# KiCad board MainPCB.kicad_pcb
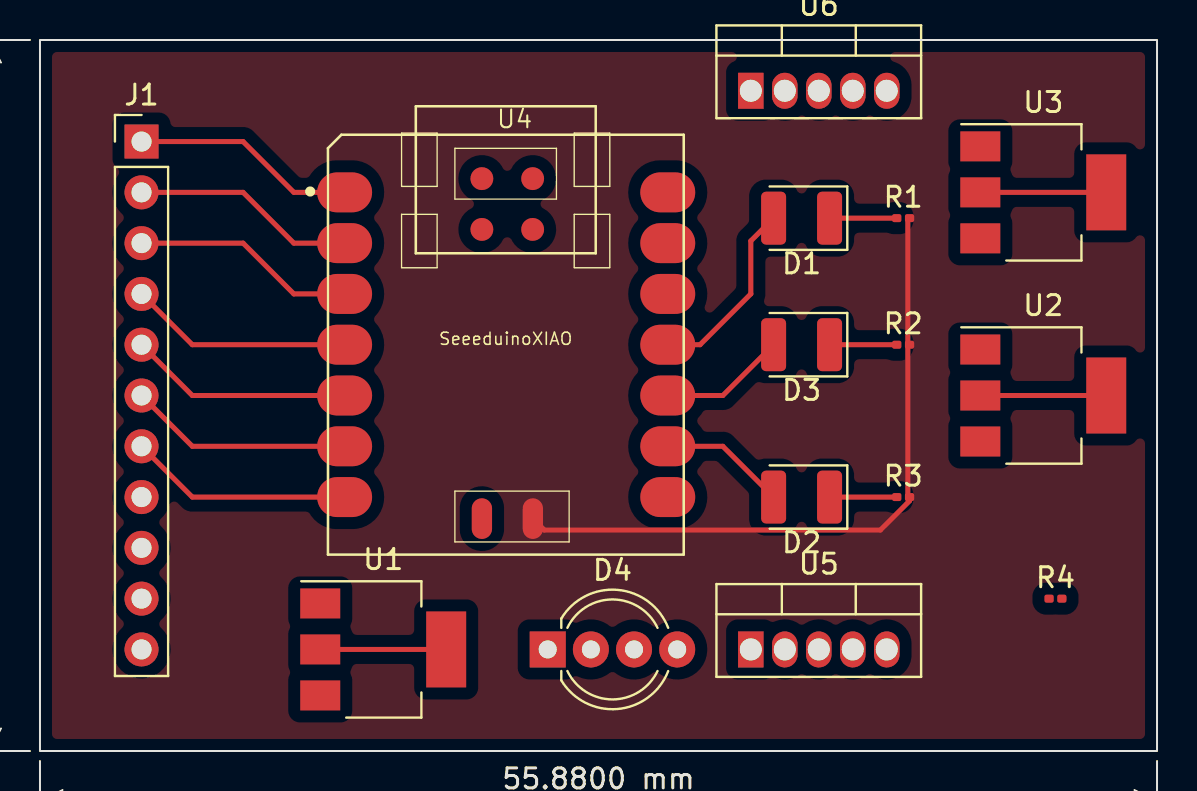
[diagram p0: board, top side]
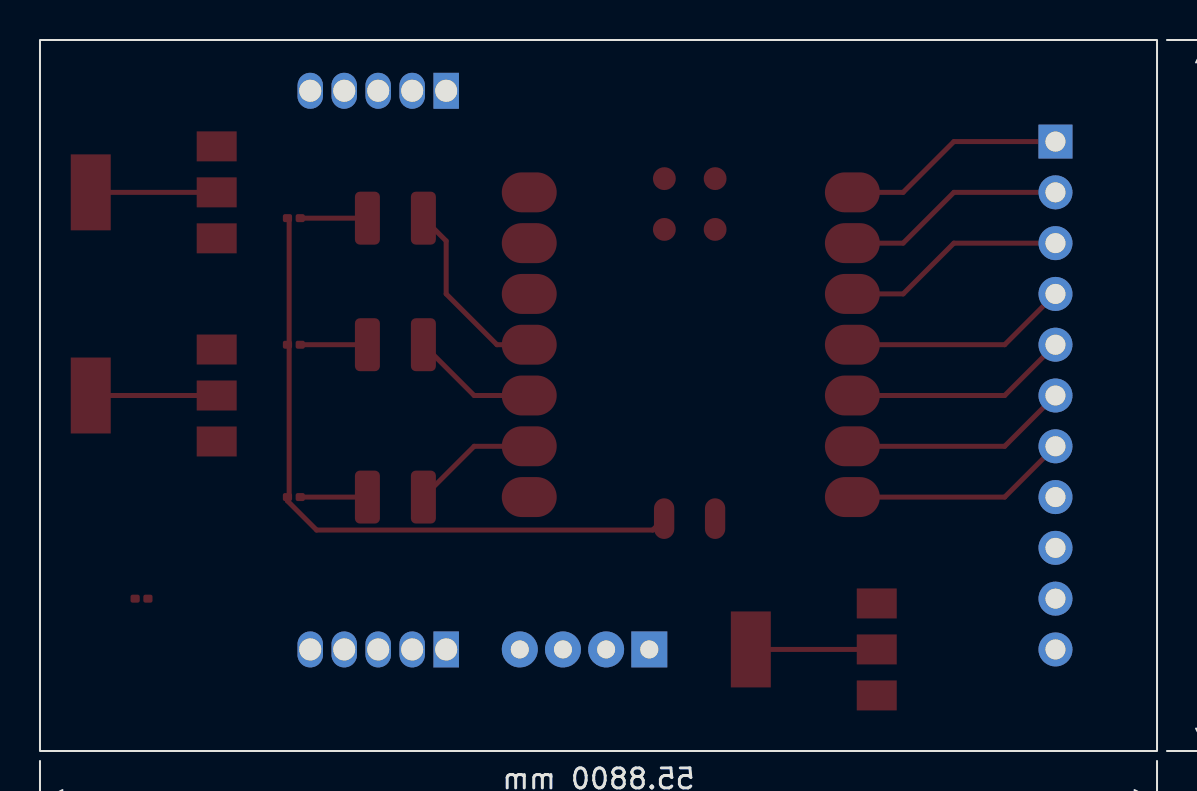
[diagram p1: board, bottom side, seen from below]

Outline 55.88 x 35.56 mm; copper layers: Top, Bottom. Coordinates in mm from the lower left corner of the outline.
Outline path: rectangle 0,35.56 55.88,0

## Placement (name value [footprint] x y rotation side)
D1  LED  [LED_1210_3225Metric]  38.1 26.65 180 top
D2  LED  [LED_1210_3225Metric]  38.1 12.7 180 top
D3  LED  [LED_1210_3225Metric]  38.1 20.32 180 top
D4  LED_ARGB  [LED_D5.0mm-4_RGB_Wide_Pins]  25.4 5.08 0 top
J1  Conn_01x11_Male  [PinHeader_1x11_P2.54mm_Vertical]  5.08 30.48 0 top
R1  10K  [R_0201_0603Metric]  43.18 26.65 0 top
R2  10K  [R_0201_0603Metric]  43.18 20.32 0 top
R3  10K  [R_0201_0603Metric]  43.18 12.7 0 top
R4  10K  [R_0201_0603Metric]  50.8 7.62 0 top
U1  AMS1117-5.0  [SOT-223-3_TabPin2]  17.17 5.08 0 top
U2  AMS1117-5.0  [SOT-223-3_TabPin2]  50.19 17.78 0 top
U3  AMS1117-5.0  [SOT-223-3_TabPin2]  50.19 27.94 0 top
U4  SeeeduinoXIAO  [Seeeduino XIAO-MOUDLE14P-2.54-21X17.8MM]  14.41 9.82 0 top
U5  LM2575BT-ADJ  [TO-220-5_Vertical]  35.56 5.08 0 top
U6  LM2575BT-ADJ  [TO-220-5_Vertical]  35.56 33.02 0 top

## Footprints (pads in the part's own frame, mm; a bottom-side part is the same pattern mirrored in y, then rotated)
LED_1210_3225Metric
  rrect 1.25x2.65 smd: 1(-1.4,0) 2(1.4,0)
LED_D5.0mm-4_RGB_Wide_Pins
  rect 1.8x1.8 hole 0.9: 1(0,0)
  round 1.8 hole 0.9: 2(2.159,0) 3(4.318,0) 4(6.477,0)
PinHeader_1x11_P2.54mm_Vertical
  rect 1.7x1.7 hole 1: 1(0,0)
  oval 1.7x1.7 hole 1: 2(0,-2.54) 3(0,-5.08) 4(0,-7.62) 5(0,-10.16) 6(0,-12.7) 7(0,-15.24) 8(0,-17.78) 9(0,-20.32) 10(0,-22.86) 11(0,-25.4)
R_0201_0603Metric
  rrect 0.318x0.36 smd: (-0.345,0) (0.345,0)
  rrect 0.46x0.4 smd: 1(-0.32,0) 2(0.32,0)
Seeeduino XIAO-MOUDLE14P-2.54-21X17.8MM
  oval 2.748x1.999 smd: 1(0.833,18.118) 2(0.833,15.578) 3(0.833,13.038) 4(0.833,10.498) 5(0.833,7.958) 6(0.833,5.418) 7(0.833,2.878) 8(16.998,2.878) 9(16.998,5.418) 10(16.998,7.958) 11(16.998,10.498) 12(16.998,13.038) 13(16.998,15.578) 14(16.998,18.118)
  oval 1.016x2.032 smd: 15(7.7,1.8) 16(10.25,1.8)
  round 1.143 smd: 17(7.699,18.804) 18(10.239,18.804) 19(7.699,16.264) 20(10.239,16.264)
SOT-223-3_TabPin2
  rect 2x1.5 smd: 1(-3.15,2.3) 2(-3.15,0) 3(-3.15,-2.3)
  rect 2x3.8 smd: 2(3.15,0)
TO-220-5_Vertical
  rect 1.275x1.8 hole 1.1: 1(0,0)
  oval 1.275x1.8 hole 1.1: 2(1.7,0) 3(3.4,0) 4(5.1,0) 5(6.8,0)

## Nets
Net-(D1-Pad1): D1.1 R1.1
Net-(D2-Pad1): D2.1 R3.1
Net-(J1-Pad1): J1.1 U4.1
Net-(J1-Pad2): J1.2 U4.2
Net-(J1-Pad3): J1.3 U4.3
Net-(J1-Pad4): J1.4 U4.4
Net-(J1-Pad5): J1.5 U4.5
Net-(J1-Pad6): J1.6 U4.6
Net-(J1-Pad7): J1.7 U4.7
Net-(R2-Pad1): D3.1 R2.1
Net-(U4-Pad9): D2.2 U4.9
Net-(U4-Pad10): D3.2 U4.10
Net-(U4-Pad11): D1.2 U4.11
Net-(U4-Pad16): R1.2 R2.2 R3.2 U4.16

Pads without a net: D4 1 2 3 4; J1 8 9 10 11; R4 1 2; U1 1 2 3; U2 1 2 3; U3 1 2 3; U4 8 12 13 14 15 17 18 19 20; U5 1 2 3 4 5; U6 1 2 3 4 5

## Routing (per net, layer and track width the routed paths; a pad name or vN(x,y) marks a point on that pad's centre or on a via; arc(x,y) is an arc through that point)
Net-(D1-Pad1): length 3.4
  Top w0.25: D1.1 R1.1
Net-(D2-Pad1): length 3.4
  Top w0.25: D2.1 42.94,12.7
Net-(J1-Pad1): length 11.2
  Top w0.25: J1.1 10.16,30.48 12.7,27.94 U4.1
Net-(J1-Pad2): length 11.2
  Top w0.25: U4.2 12.7,25.4 10.16,27.94 J1.2
Net-(J1-Pad3): length 11.2
  Top w0.25: J1.3 10.16,25.4 12.7,22.86 U4.3
Net-(J1-Pad4): length 11.2
  Top w0.25: U4.4 7.62,20.32 J1.4
Net-(J1-Pad5): length 11.2
  Top w0.25: J1.5 7.62,17.78 U4.5
Net-(J1-Pad6): length 11.2
  Top w0.25: U4.6 7.62,15.24 J1.6
Net-(J1-Pad7): length 11.2
  Top w0.25: J1.7 7.62,12.7 U4.7
Net-(R2-Pad1): length 3.4
  Top w0.25: D3.1 42.94,20.32
Net-(U4-Pad9): length 6.3
  Top w0.25: U4.9 34.16,15.24 D2.2
Net-(U4-Pad10): length 6.3
  Top w0.25: D3.2 34.16,17.78 U4.10
Net-(U4-Pad11): length 9.5
  Top w0.25: D1.2 35.56,25.51 35.56,22.86 33.02,20.32 U4.11
Net-(U4-Pad16): length 34
  Top w0.25: U4.16 25.23,11.05 42.04,11.05 43.5,12.51 R3.2 43.41,12.78 43.41,20.32 ; R1.2 43.41,26.56 43.41,20.32 ; 43.41,20.32 R2.2
unconnected-(U1-Pad2): length 6.3
  Top w0.25: U1.2 U1.2
unconnected-(U2-Pad2): length 6.3
  Top w0.25: U2.2 U2.2
unconnected-(U3-Pad2): length 6.3
  Top w0.25: U3.2 U3.2

## Copper pours and planes (outline as drawn; the poured copper is in the pictures)
Net-(U4-Pad16) on Top: 55.88,0 0,0 0,35.56 55.88,35.56
